# Altium PCB MCU065E1_LAUNCHCC3235MODA_PCB.PcbDoc (part 3 of 4)
Units mil, origin at the board's own origin, x right, y up, seen from the top; angles counter-clockwise.
Board outline 2300 x 4280 mil, 4 copper layers (TOP, GND, PWR, BOTTOM), stack 62 mil thick; 300 components, 199 nets, 970 pads, 475 vias.
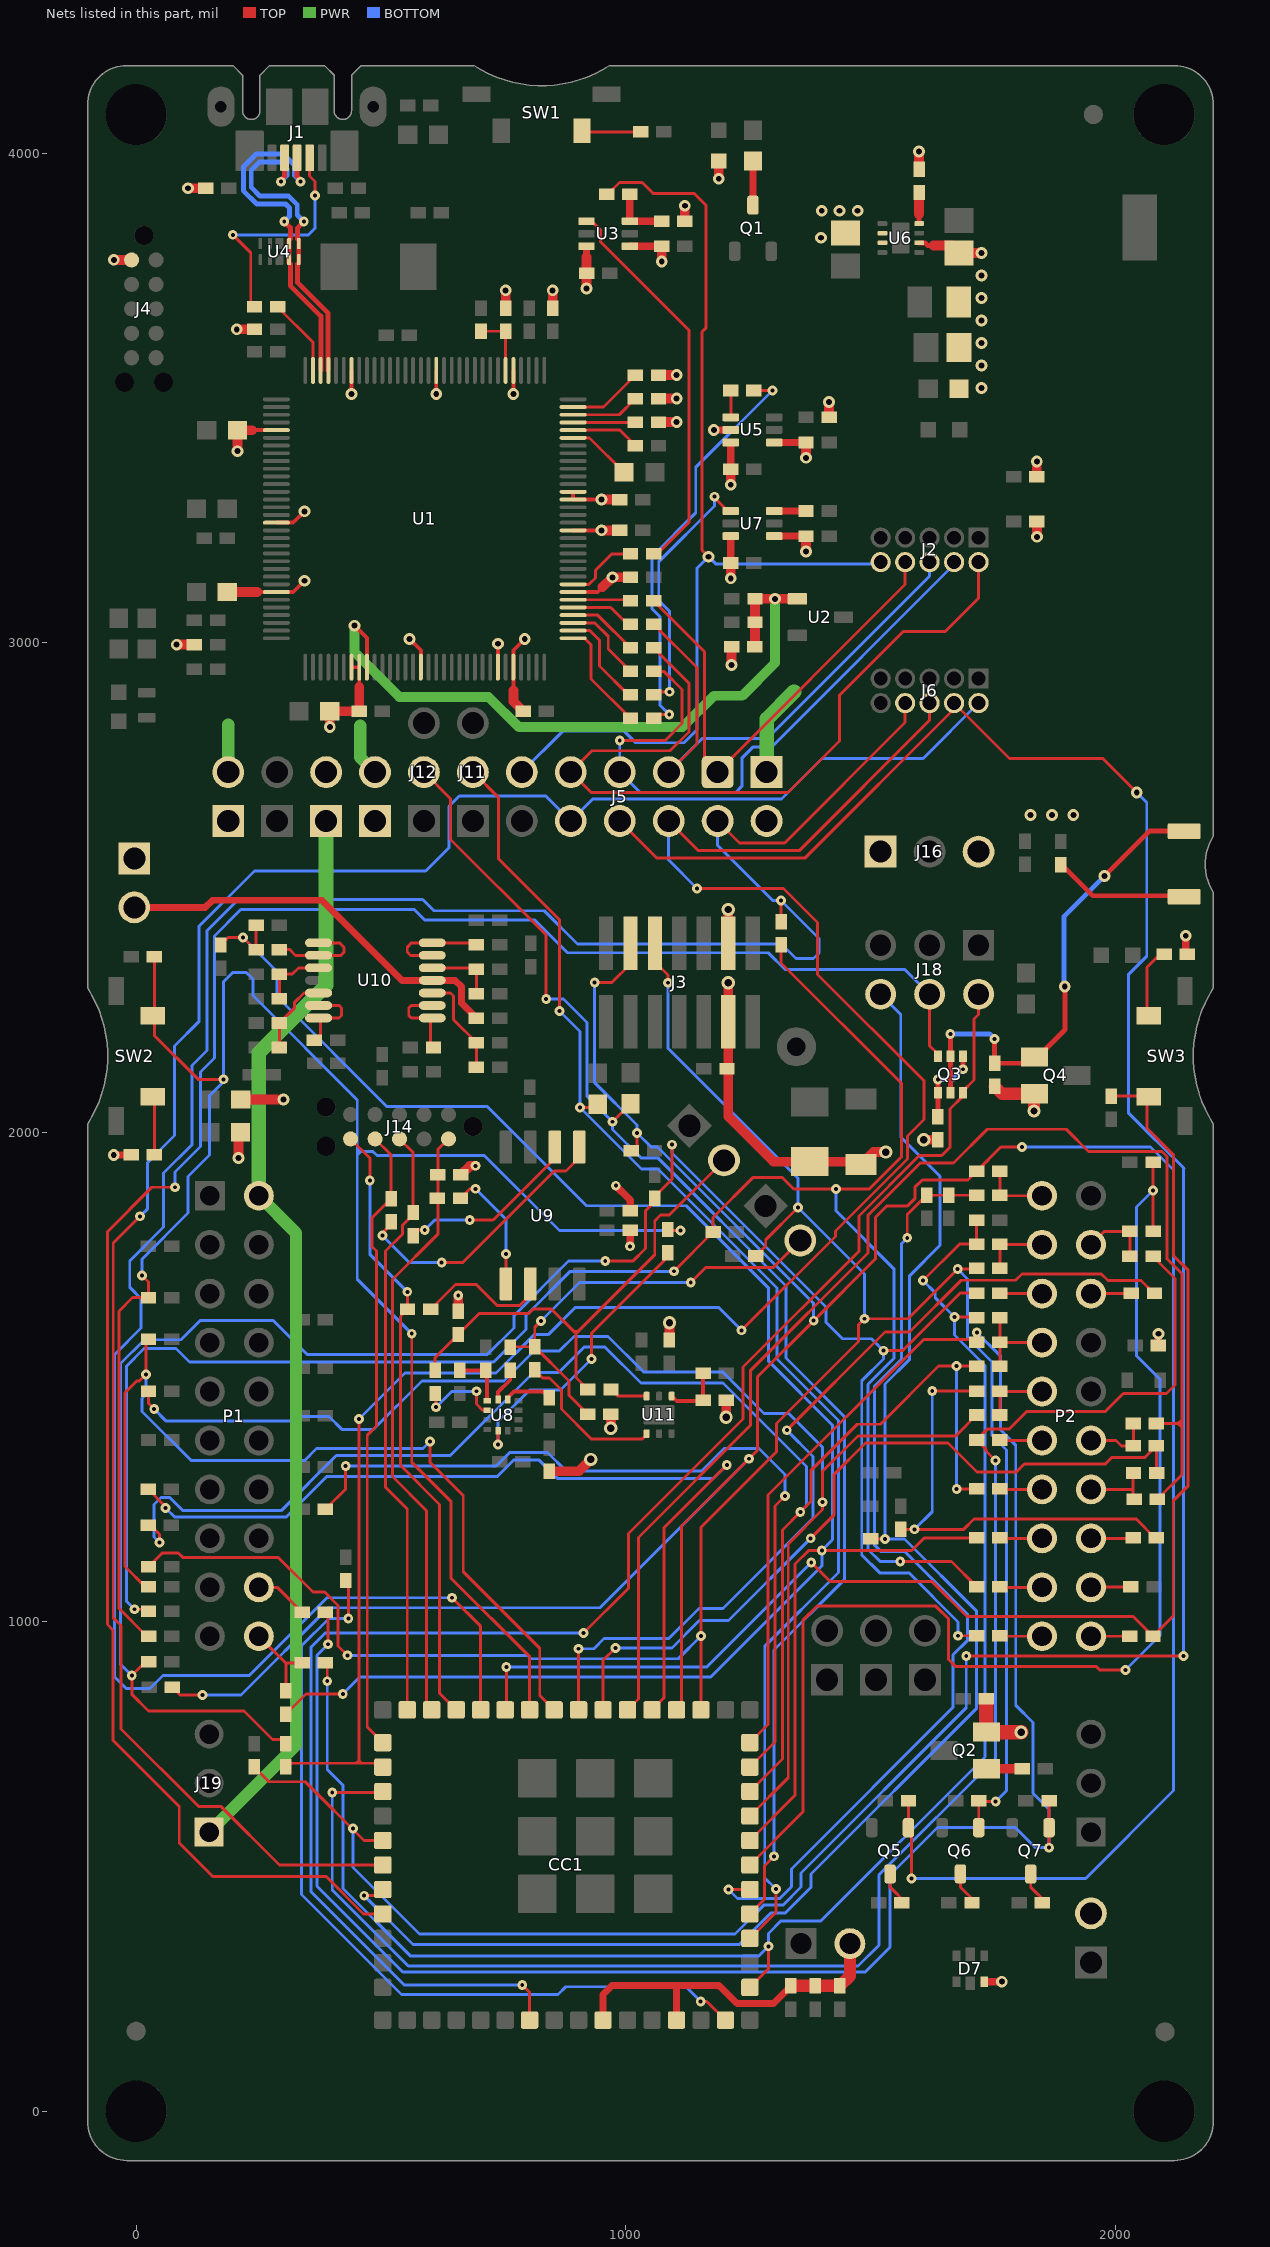
[diagram p5: the nets of this part, all layers, seen from the top]

## Via types
v1: diameter 20, hole 8, TOP to BOTTOM, tented both sides, 270 vias
v2: diameter 24, hole 12, TOP to BOTTOM, tented both sides, 142 vias
v3: diameter 19.68, hole 7.87, TOP to BOTTOM, 36 vias
v4: diameter 27, hole 15, TOP to BOTTOM, tented both sides, 23 vias
v5: diameter 19.68, hole 7.87, TOP to BOTTOM, tented bottom, 4 vias

## Nets (pads, with @x,y where several pads share a name; then routed paths per layer and width w, separated by ;. In a path a pad name is that pad's centre, name@x,y a point inside that pad or via, vN(x,y) a via of type N, cw(c..) or ccw(c..) an arc to the next point about the centre after c; other vN are vias at no path point) (continued)
NetP1_29: P1.29 R87.1 | length 109.9
  TOP w6: P1.29@250.7,1070.26 288.12,1070.26 R87.1@339.38,1019
NetP1_30: P1.30 R91.1 R94.1 | length 169
  TOP w6: P1.30@250.7,970.26 304.96,916 ; R94.1@306,858.62 306,914.96 304.96,916 ; R91.1@339.38,916 304.96,916
NetP2_11: P2.11 R93.1 | length 79.5
  TOP w6: P2.11@1950.7,970.26 R93.1@2030.16,970.26
NetP2_12: P2.12 R89.1 | length 81.9
  TOP w6: P2.12@1950.7,1070.26 1951.7,1071.27 R89.1@2032.16,1071.27
NetP2_13: P2.13 R85.1 | length 86.9
  TOP w6: P2.13@1950.7,1170.26 2036.16,1170.26 R85.1@2037.16,1171.27
NetP2_14: P2.14 R81.1 R99.1 | length 140.7
  TOP w6: P2.14@1950.7,1270.26 2036.16,1270.26 ; R99.1@2037.58,1303.88 2036.16,1302.46 2036.16,1270.26 ; R81.1@2039.18,1250.48 2036.16,1253.5 2036.16,1270.26
NetP2_15: P2.15 R77.1 R96.1 | length 137
  TOP w6: P2.15@1950.7,1370.26 2001.82,1370.26 2013,1359.09 R77.1@2037.16,1359.09 R96.1@2037.16,1404.97
NetP2_18: P2.18 R67.1 | length 83
  TOP w6: P2.18@1950.7,1670.26 2032.24,1670.26 R67.1@2033.24,1671.27
NetP2_19: P2.19 R59.1 R63.1 | length 142
  TOP w6: P2.19@1950.7,1770.26 1977.85,1797.42 R59.1@2030.31,1797.42 R63.1@2030.27,1746.34
NetP2_31: P2.31 R92.2 | length 86.7
  TOP w6: R92.2@1764.41,971.27 1765.41,970.26 P2.31@1850.7,970.26
NetP2_32: P2.32 R88.2 | length 86.7
  TOP w6: R88.2@1764.41,1071.27 1765.41,1070.26 P2.32@1850.7,1070.26
NetP2_33: P2.33 R84.2 | length 86.7
  TOP w6: R84.2@1764.41,1171.27 1765.41,1170.26 P2.33@1850.7,1170.26
NetP2_34: P2.34 R80.2 | length 86.7
  TOP w6: R80.2@1764.41,1271.27 1765.41,1270.26 P2.34@1850.7,1270.26
NetP2_35: P2.35 R76.2 | length 86.7
  TOP w6: R76.2@1764.41,1371.27 1765.41,1370.26 P2.35@1850.7,1370.26
NetP2_36: P2.36 R73.2 R101.2 | length 135.7
  TOP w6: R101.2@1764.41,1422.27 R73.2@1764.41,1471.27 1765.41,1470.26 P2.36@1850.7,1470.26
NetP2_37: P2.37 R70.2 R95.2 R98.2 | length 185.7
  TOP w6: R98.2@1764.41,1522.27 R70.2@1764.41,1571.27 ; R95.2@1764.41,1621.27 R70.2@1764.41,1571.27 ; P2.37@1850.7,1570.26 1765.41,1570.26 R70.2@1764.41,1571.27
NetP2_38: P2.38 R66.2 | length 86.7
  TOP w6: R66.2@1764.41,1671.27 1765.41,1670.26 P2.38@1850.7,1670.26
NetP2_39: P2.39 R54.2 R62.2 | length 135.7
  TOP w6: R62.2@1764.41,1722.27 R54.2@1764.41,1771.27 1765.41,1770.26 P2.39@1850.7,1770.26
NetP2_40: P2.40 R53.2 R60.2 | length 135.7
  TOP w6: R60.2@1764.41,1920.27 R53.2@1764.41,1871.27 1765.41,1870.26 P2.40@1850.7,1870.26
NetQ1_3: Q1.3 R30.1 | length 90
  TOP w15: Q1.3@1260.14,3894.26 R30.1@1260.14,3984.26
NetQ2_1: Q2.1 R105.1 | length 73.4
  TOP w20: Q2.1@1736.83,699.71 R105.1@1810.21,699.71
NetQ3_1: Q3.1 Q3.4 R143.1 | length 162.4
  TOP w10: R143.1@1637.78,2031.92 Q3.1@1637.78,2080.72 v1(1637.78,2107.53) ; v1(1688.97,2128.71) Q3.4@1688.97,2155.52
  BOTTOM w10: v1(1637.78,2107.53) 1667.78,2107.53 v1(1688.97,2128.71)
NetQ3_2: Q3.2 Q3.5 Q4.1 R144.1 SW4.2 | length 988.6
  TOP w10: Q3.2@1663.37,2080.72 Q3.5@1663.37,2155.52 v1(1663.37,2201) ; v1(1753.78,2190.74) R144.1@1753.78,2140.89 1822.69,2140.89 Q4.1@1835.31,2153.5 1841.5,2153.5 1897.58,2209.58 v2@1897.58,2297.5 ; v2(1978.23,2523.25) 2070.57,2615.59 SW4.2@2110.5,2615.59 ; SW4.2@2110.5,2615.61 2116.65,2621.76 SW4.2@2141,2621.76
  BOTTOM w10: v1(1663.37,2201) 1743.52,2201 v1(1753.78,2190.74) ; v2@1895.45,2297.5 1895.45,2440.47 v2(1978.23,2523.25)
  other v2: 1897.22,2297.5
NetQ5_3: Q5.3 R145.1 | length 71.6
  TOP w6: Q5.3@1540.43,484.73 1540.43,457.72 R145.1@1571.93,426.22
NetQ6_3: Q6.3 R146.1 | length 71.6
  TOP w6: Q6.3@1684.05,484.73 1684.05,457.72 R146.1@1715.55,426.22
NetQ7_3: Q7.3 R147.1 | length 71.6
  TOP w6: Q7.3@1827.68,484.73 1827.68,457.72 R147.1@1859.17,426.22
NetR2_2: R2.2 U1.33 | length 225.8
  TOP w6: U1.33@892.71,3009.15 916.17,3009.15 929.43,2995.89 929.43,2926.16 R2.2@1009.95,2845.64
NetR3_1: R3.1 U1.95 | length 159.7
  TOP w6: R3.1@289.02,3686.18 361.21,3613.99 U1.95@361.21,3556.4
NetR4_2: R4.2 U1.34 | length 197.8
  TOP w6: U1.34@892.71,3024.9 926.83,3024.9 946.38,3005.35 946.38,2952.44 R4.2@1005.18,2893.64
NetR6_2: R6.2 U1.35 | length 173.6
  TOP w6: U1.35@892.71,3040.65 937.12,3040.65 964.52,3013.25 964.52,2987.07 R6.2@1009.95,2941.64
NetR7_2: R7.2 U1.36 | length 144.9
  TOP w6: U1.36@892.71,3056.4 943.19,3056.4 R7.2@1009.95,2989.64
NetR8_2: R8.2 U1.37 | length 131.5
  TOP w6: U1.37@892.71,3072.15 969.51,3072.15 1004.01,3037.64 R8.2@1009.95,3037.64
NetR9_2: R9.2 U1.38 | length 118.2
  TOP w6: U1.38@892.71,3087.89 1007.7,3087.89 R9.2@1009.95,3085.64
NetR10_2: R10.2 U1.40 | length 152.1
  TOP w6: U1.40@892.71,3119.39 925.26,3119.39 938.31,3132.44 938.31,3147.98 971.97,3181.64 R10.2@1009.95,3181.64
NetR16_1: R16.1 U1.63 | length 154.3
  TOP w6: U1.63@892.71,3481.59 954.65,3481.59 R16.1@1019.95,3546.89
NetR17_1: R17.1 U1.62 | length 140.9
  TOP w6: U1.62@892.71,3465.85 986.9,3465.85 R17.1@1019.95,3498.89
NetR18_1: R18.1 U1.61 | length 127.6
  TOP w6: U1.61@892.71,3450.1 1019.16,3450.1 R18.1@1019.95,3450.89
NetR20_1: R20.1 U1.60 | length 140.3
  TOP w6: U1.60@892.71,3434.35 988.49,3434.35 R20.1@1019.95,3402.89
NetR24_1: R24.1 R25.2 U1.70 | length 130.4
  TOP w6: R25.2@704.56,3636.4 R24.1@754.91,3636.4 U1.70@754.91,3556.4
NetR27_2: R27.2 U1.59 | length 133.2
  TOP w6: U1.59@892.71,3418.6 926.46,3418.6 R27.2@996.81,3348.25
NetR28_1: R28.1 R29.2 U3.3 | length 120
  TOP w15: R29.2@1008.76,3916.37 U3.3@1008.76,3861.37 R28.1@1073.76,3861.37
NetR32_2: R32.2 SW1.1 | length 120
  TOP w6: SW1.1@910.98,4043.62 R32.2@1030.98,4043.62
NetR34_1: R34.1 U5.4 | length 55
  TOP w6: U5.4@1214.86,3460.37 R34.1@1214.86,3515.37
NetR36_1: R36.1 U6.8 | length 63.4
  TOP w10: U6.8@1599.51,3856.45 1599.51,3875.64
  TOP w20: 1599.51,3875.64 R36.1@1599.51,3919.88
NetR37_2: R37.2 U7.3 | length 65
  TOP w15: U7.3@1303.45,3269.19 R37.2@1368.45,3269.19
NetR40_2: R40.2 U9.1 | length 258.7
  TOP w6: R40.2@662.65,1865.18 681.85,1884.38 v1(693.3,1884.38) ; U9.1@755.4,1690.11 v1(755.6,1751.48)
  BOTTOM w6: v1(693.3,1884.38) 755.6,1822.08 v1(755.6,1751.48)
NetR41_2: R41.2 U9.6 | length 377.8
  TOP w6: R41.2@565.94,1788.8 577.3,1800.16 v1(589.59,1800.16) ; v1(681.5,1820.68) 729.45,1820.68 855.4,1946.62 U9.6@855.4,1969.64
  BOTTOM w6: v1(589.59,1800.16) 610.11,1820.68 v1(681.5,1820.68)
NetR42_2: R42.2 U9.5 | length 571.2
  TOP w6: v1(503,1788.78) 503,1793.48 521.02,1811.5 R42.2@521.02,1817.18 ; v1(624.2,1733.88) 667.41,1733.88 854.39,1920.86 878.04,1920.86 905.4,1948.23 U9.5@905.4,1969.64
  BOTTOM w6: v1(503,1788.78) 557.9,1733.88 v1(624.2,1733.88)
NetR43_2: R43.2 U9.2 | length 274
  TOP w6: R43.2@601.62,1638 652.38,1688.76 694.86,1688.76 737.98,1645.65 782.97,1645.65 805.4,1668.08 U9.2@805.4,1690.11
NetR108_2: R108.2 R112.2 U10.10 | length 135.5
  TOP w6: R112.2@292.48,2273.14 R108.2@292.48,2323.14 318.86,2323.14 331.45,2335.73 U10.10@372.72,2335.73
NetR109_1: R109.1 U10.8 U10.9 | length 201
  TOP w6: R109.1@292.48,2373.14 313.86,2373.14 325.68,2361.32 U10.9@372.72,2361.32 418.04,2361.32 424.37,2367.65 424.37,2377.75 415.21,2386.91 U10.8@376.65,2386.91
NetR110_2: R110.2 R113.2 U10.5 | length 141.3
  TOP w6: U10.5@605,2335.73 692.64,2335.73 R110.2@695.24,2333.14 R113.2@695.24,2283.14
NetR111_1: R111.1 U10.6 U10.7 | length 206.6
  TOP w6: U10.6@601.06,2361.32 560.68,2361.32 553.86,2368.14 553.86,2378.14 562.63,2386.91 U10.7@605,2386.91 691.46,2386.91 R111.1@695.24,2383.14
NetR116_2: R116.2 R122.2 U10.12 | length 162.2
  TOP w6: R122.2@292.48,2173.14 R116.2@292.48,2223.14 323.86,2254.52 323.86,2265.61 342.79,2284.55 U10.12@372.72,2284.55
NetR117_1: R117.1 U10.13 U10.14 | length 156.6
  TOP w6: R117.1@364.24,2187.84 376.65,2200.26 376.65,2233.37 414.59,2233.37 419.77,2238.55 419.77,2254.05 414.86,2258.96 U10.13@376.65,2258.96
NetR119_2: R119.2 R123.2 U10.3 | length 210.5
  TOP w6: U10.3@605,2284.55 642.08,2284.55 648.49,2278.14 648.49,2229.89 R119.2@695.24,2183.14 R123.2@695.24,2133.14
NetR120_1: R120.1 U10.1 U10.2 | length 170.7
  TOP w6: U10.2@601.06,2258.96 561.88,2258.96 556.97,2254.05 556.97,2238.65 562.25,2233.37 601.06,2233.37 601.06,2179.56 R120.1@607.48,2173.14
NetR128_1: R128.1 R132.2 U11.4 | length 124.7
  TOP w8: U11.4@1093.98,1460.99 1104.39,1450.58 1156.33,1450.58 R128.1@1158.39,1452.64 R132.2@1158.39,1507.79
NetR129_1: R129.1 R131.1 U8.1 | length 112.3
  TOP w8: R129.1@665.04,1513.56 R131.1@714.29,1513.56 714.29,1508.29 717.2,1505.37 U8.1@717.2,1451.71
NetR133_2: R133.2 U8.5 | length 599.8
  TOP w6: v1(739.44,1362.34) U8.5@739.44,1390.1 ; v1(930.3,1536.98) 930.3,1589.48 1085.9,1745.08 R133.2@1085.9,1754.05
  BOTTOM w6: v1(739.44,1362.34) 739.44,1408.92 804.1,1473.58 866.9,1473.58 v1(930.3,1536.98)
NetR135_1: R135.1 U11.6 | length 78.2
  TOP w6: R135.1@970.17,1474.4 983.58,1460.99 U11.6@1042.8,1460.99
NetR136_1: R136.1 U11.1 | length 315.7
  TOP w6: R136.1@814.29,1514.56 830.79,1498.06 844.32,1498.06 868.77,1473.61 868.77,1434.69 930.52,1372.94 1033.39,1372.94 1042.8,1382.35 U11.1@1042.8,1384.22
NetR138_1: R138.1 U8.2 | length 178.2
  TOP w6: R138.1@610.62,1466.32 612.72,1464.21 v1(612.72,1438.33) ; v1(695.2,1470.78) 695.2,1444.57 707.75,1432.03 U8.2@717.2,1432.03
  BOTTOM w6: v1(612.72,1438.33) 645.17,1470.78 v1(695.2,1470.78)
NetR140_1: R140.1 U8.11 | length 99.5
  TOP w8: U8.11@759.13,1454.27 759.13,1458.15 771.56,1470.58 831.52,1470.58 R140.1@844.29,1457.81
NetR141_1: R141.1 U8.12 | length 69.6
  TOP w8: U8.12@739.44,1454.27 739.44,1469.34 764.29,1494.19 R141.1@764.29,1513.56
NetR148_1: R148.1 SW2.2 | length 120
  TOP w6: R148.1@37.16,1953.6 SW2.2@37.16,2073.6
NetR149_1: R149.1 SW3.2 | length 144.1
  TOP w6: SW3.2@2065.14,2238.95 2065.14,2336.98 2092.19,2364.02 R149.1@2100.04,2364.02
NetR154_2: R154.2 SW4.1 | length 248.9
  TOP w10: R154.2@1888.8,2548.72 1954.46,2483.06 SW4.1@2110.5,2483.06
P01_GPIO_10: CC1.3 J3.9 Q6.1 R62.1 R86.1 R130.1 R151.2 | length 4809.4
  TOP w6: R86.1@25.16,1112.26 52.9,1140 86.79,1140 96.04,1130.75 291.1,1130.75 361.04,1060.81 385.1,1060.81 412.57,1033.34 412.57,950.38 v1(431.67,931.28) ; J3.9@1059.79,2380.75 1059.79,2348.15 1086.6,2321.34 v1(1086.6,2305.36) ; CC1.3@1153.9,819.92 v1(1153.9,970.88) 1153.9,1192.88 1308.3,1347.27 1308.3,1405.21 1475.51,1572.42 1475.51,1606.65 v1(1487.78,1618.92) 1576.81,1618.92 v1(1678.36,1720.47) 1715.37,1720.47 R62.1@1717.16,1722.27 ; R130.1@1265.72,1747.18 1286.26,1767.71 1286.26,1780.26 v1(1351.98,1845.98) ; Q6.1@1721.45,579.22 R151.2@1721.45,634.22 1723.22,632.45 v1(1755.95,632.45)
  BOTTOM w6: v1(431.67,931.28) 799.52,931.28 806.47,924.33 1107.36,924.33 v1(1153.9,970.88) ; v1(1086.6,2305.36) 1086.6,2171.48 1351.98,1906.1 v1(1351.98,1845.98) 1487.78,1710.18 v1(1487.78,1618.92) ; v1(1678.36,1720.47) 1698.45,1700.39 1698.45,1580.94 1748.59,1530.8 1748.59,1380.66 1778.25,1351 1778.25,654.75 v1(1755.95,632.45)
P02_GPIO_11: CC1.4 J3.11 Q5.1 R60.1 R90.1 R137.1 R150.2 | length 6349.6
  TOP w6: R90.1@73.62,866 89.62,850 v1(135.52,850) ; v1(936.8,2305.96) 971.78,2305.96 1009.79,2343.97 J3.11@1009.79,2380.75 ; R137.1@1011.68,1962.08 1023.43,1973.83 v1(1023.43,1998.46) ; CC1.4@1103.9,819.92 1114.36,830.38 1114.36,1195.41 v1(1251.82,1332.87) 1269.33,1350.38 1269.5,1350.38 1269.5,1500.38 v1(1384.2,1615.08) 1510.51,1741.39 1510.51,1826.24 1533.87,1849.6 1576.21,1849.6 1590.88,1864.27 1590.88,1887.43 1606.14,1902.7 1699.59,1902.7 R60.1@1717.16,1920.27 1766.51,1969.62 v1(1809.5,1969.62) ; R150.2@1577.83,634.22 Q5.1@1577.83,579.22 1584.04,573.01 v1(1584.04,475.59)
  BOTTOM w6: v1(135.52,850) 213.98,850 392.52,1028.54 947.49,1028.54 v1(1251.82,1332.87) ; v1(936.8,2305.96) 936.8,2101.28 1023.43,2014.65 v1(1023.43,1998.46) 1052.21,1969.68 1064.84,1969.68 1384.2,1650.31 v1(1384.2,1615.08) ; v1(1584.04,475.59) 1939.82,475.59 2119.17,654.94 2119.17,1922.83 2072.38,1969.62 v1(1809.5,1969.62)
P03_GPIO_12: CC1.9 R68.1 R102.1 | length 1929.6
  TOP w6: R102.1@25.16,1071.26 18.74,1071.26 -22.73,1112.73 -22.73,1467.58 1.76,1492.07 6.8,1492.07 v1(19.9,1505.18) 19.9,1572 R68.1@25.16,1577.26 ; v1(600.39,1367.93) 600.39,1325.81 668.22,1257.98 668.22,1102.05 824.57,945.7 824.57,849.25 CC1.9@853.9,819.92
  BOTTOM w6: v1(19.9,1505.18) 19.9,1463.68 12.1,1455.88 12.1,1429.68 111.98,1329.8 344.74,1329.8 368.71,1353.77 586.24,1353.77 v1(600.39,1367.93)
P04_GPIO_13: CC1.10 R64.1 R103.1 R133.1 R155.2 SW2.1 | length 4397.7
  TOP w6: v1(11.9,1707.17) 25.17,1693.91 R64.1@25.17,1662.26 -7.36,1662.26 -34.73,1634.89 -34.73,1026.98 22.21,970.04 R103.1@23.95,970.04 ; R155.2@37.16,2358.95 37.16,2238.95 37.16,2197.84 126.9,2108.09 v1(178.3,2108.09) ; v1(563.06,1588.41) 563.06,1325.77 643.66,1245.18 643.66,1088.55 803.9,928.31 CC1.10@803.9,819.92 ; R133.1@1085.9,1801.3 1089.02,1798.18 1089.89,1799.04 v1(1111.92,1799.04)
  BOTTOM w6: v1(11.9,1707.17) 11.9,1740.68 106,1834.77 106,1909.63 149.97,1953.6 149.97,2074.65 178.3,2102.98 v1(178.3,2108.09) 178.3,2307.51 197.59,2326.79 224.49,2326.79 238.47,2312.82 238.47,2279.21 451.76,2065.92 451.76,1968.28 ; v1(563.06,1588.41) 451.76,1699.72 451.76,1953.23 ; v1(1111.92,1799.04) 864.7,1799.04 711.36,1952.38 491.84,1952.38 483.46,1960.75 459.28,1960.75 ; 451.76,1953.23 459.28,1960.75 ; 451.76,1953.23 451.76,1960.75 ; 451.76,1960.75 451.76,1968.28 ; 451.76,1960.75 459.28,1960.75 ; 451.76,1968.28 459.28,1960.75
P05_GPIO_14: CC1.5 R78.1 | length 1846.4
  TOP w6: R78.1@25.16,1271.26 25.16,1269.98 60.2,1234.95 v1(60.2,1232.38) ; CC1.5@1053.9,819.92 1078.58,844.6 1078.58,1192.16 v1(1206.8,1320.38)
  BOTTOM w6: v1(60.2,1232.38) 78.78,1213.79 306.75,1213.79 389.96,1297 738.15,1297 771.19,1330.04 823.31,1330.04 860.43,1292.93 1179.35,1292.93 v1(1206.8,1320.38)
P06_GPIO_15: CC1.6 R81.2 R96.2 | length 2729.4
  TOP w6: CC1.6@1003.9,819.92 1026.1,842.12 1026.1,1172.03 1254.68,1400.61 1254.68,1512.88 1494.91,1753.11 1494.91,1830.36 1601.9,1937.35 1669.97,1937.35 1738.74,2006.12 1899.99,2006.12 1945.55,1960.56 2095.59,1960.56 2105.91,1950.23 2105.91,1741.38 2136.4,1710.89 2136.4,1413.3 ; R96.2@2084.41,1404.97 2128.07,1404.97 ; R81.2@2086.42,1250.48 2136.4,1300.45 2136.4,1396.64 ; 2128.07,1404.97 2136.4,1413.3 ; 2128.07,1404.97 2136.4,1404.97 ; 2128.07,1404.97 2136.4,1396.64 ; 2136.4,1396.64 2136.4,1404.97 ; 2136.4,1404.97 2136.4,1413.3
P07_GPIO_16: CC1.7 R77.2 R99.2 | length 1565
  TOP w6: CC1.7@953.9,820.94 953.9,921.21 v1(979.2,946.51) ; v1(1378,1170.38) 1425.32,1217.69 1425.32,1300.47 1489.85,1365 1658.88,1365 1717.98,1305.9 1798.11,1305.9 1814.5,1322.28 1979.98,1322.28 1993.48,1335.78 2061.1,1335.78 R77.2@2084.41,1359.09 2084.41,1304.29 R99.2@2084.82,1303.88
  BOTTOM w6: v1(979.2,946.51) 1094.59,946.51 1150.61,1002.53 1210.15,1002.53 v1(1378,1170.38)
P08_GPIO_17: CC1.8 R67.2 | length 1815
  TOP w6: CC1.8@903.9,820.94 v1(903.9,944.78) ; v1(1329.3,1391.28) 1529.86,1591.84 1580.06,1591.84 1685.87,1697.65 1796.64,1697.65 1809.53,1710.54 1971.91,1710.54 1985.37,1697.08 2052.86,1697.08 2076.99,1672.96 2078.8,1672.96 R67.2@2080.49,1671.27
  BOTTOM w6: v1(903.9,944.78) 935.19,944.78 955.92,965.51 1088.13,965.51 1149.86,1027.23 1198.66,1027.23 1382.93,1211.51 1382.93,1337.65 v1(1329.3,1391.28)
P15_GPIO_22: CC1.11 R93.2 R156.2 SW3.1 | length 2800.4
  TOP w6: CC1.11@753.9,820.94 756.25,823.29 v1(756.25,907.72) ; v1(1379.2,1121.08) 1417.75,1082.53 1625.51,1082.53 1697.28,1010.76 2036.91,1010.76 R93.2@2077.41,970.26 2118.8,1011.65 2118.8,1247.28 2149.31,1277.8 2149.31,1718.02 2118.91,1748.42 2118.91,1954.2 2065.14,2007.97 2065.14,2073.6 R156.2@1992.54,2073.6
  BOTTOM w6: v1(756.25,907.72) 1165.84,907.72 v1(1379.2,1121.08)
P16_GPIO_23: R46.1 R88.1 R97.1 R134.1 | length 3967.5
  TOP w6: v1(-3.51,1025.46) 20.96,1025.46 R97.1@25.16,1021.26 ; v1(1098.55,1716.04) 1178.78,1796.27 1178.78,1825.75 1260.95,1907.92 1319.73,1907.92 1343.59,1884.06 v1(1429.55,1884.06) 1497.7,1884.06 1563.91,1950.27 1563.91,2099.46 1317.6,2345.78 R46.1@1317.6,2382.85 ; v1(1561.03,1122.83) 1665.61,1122.83 R88.1@1717.16,1071.27
  BOTTOM w6: v1(-3.51,1025.46) -19.84,1041.79 -19.84,1522.09 16.3,1558.23 81.47,1558.23 109.26,1530.44 730.37,1530.44 796.66,1596.73 796.66,1625.87 886.67,1715.88 1098.38,1715.88 v1(1098.55,1716.04) ; v1(1429.55,1884.06) 1429.55,1839.6 1547.99,1721.16 1547.99,1537.68 1495.35,1485.04 1495.35,1147.5 1520.03,1122.83 v1(1561.03,1122.83)
P16_JTAG_TDI: CC1.12 J5.2 J6.8 R46.2 | length 4934.7
  TOP w6: v1(645.5,1048.98) 703.9,990.58 CC1.12@703.9,819.92 ; J5.2@1188,2635.86 1232.86,2591 1325,2591 1571,2837 J6.8@1571,2876.86 ; R46.2@1317.6,2430.1 v1(1317.6,2473.38)
  BOTTOM w6: v1(645.5,1048.98) 389.98,1048.98 231.25,890.24 54.75,890.24 28.05,863.54 -20.27,863.54 -43.84,887.1 -43.84,1546.16 10,1600 10,1660 -13.1,1683.1 -13.1,1737.08 56.11,1806.29 56.11,1916.49 114.13,1974.5 114.13,2136.13 144.97,2166.97 144.97,2411.63 208.73,2475.4 585.35,2475.4 608.23,2452.51 833.64,2452.51 901.58,2384.58 1318.33,2384.58 1348.23,2354.68 1383.94,2354.68 1395.1,2365.84 1395.1,2395.88 v1(1317.6,2473.38) 1300.45,2473.38 1188,2585.82 J5.2@1188,2635.86
P17_GPIO_24: R45.1 R66.1 R92.1 R100.1 R139.1 | length 4192.7
  TOP w6: R100.1@25.38,918 19.19,918 v1(-8.81,890) -8.81,851.81 25.19,817.81 220.55,817.81 278.74,759.61 297.01,759.61 R45.1@306,750.62 ; v1(958.3,1736.88) 1014.47,1736.64 1040.5,1762.68 1040.5,1839.41 1059.3,1858.21 R139.1@1059.3,1864.75 1059.3,1868.45 1094.67,1903.82 v1(1094.67,1974.59) ; v1(1526.99,1553.68) 1565.51,1553.68 1683.1,1671.27 R66.1@1717.16,1671.27 ; v1(1679.17,971.27) R92.1@1717.16,971.27
  BOTTOM w6: v1(-8.81,890) -31.84,913.03 -31.84,1527.44 16.81,1576.09 91.41,1576.09 130.33,1615 280.49,1615 349.18,1546.31 717.89,1546.31 771.69,1600.12 771.69,1625.24 883.33,1736.88 v1(958.3,1736.88) ; v1(1094.67,1974.59) 1094.67,1957.49 1409.38,1642.78 1409.38,1611.69 1442.96,1578.11 1502.56,1578.11 v1(1526.99,1553.68) 1526.99,1536.82 1482.46,1492.29 1482.46,1136.42 1519.03,1099.85 1578.83,1099.85 1679.17,999.51 v1(1679.17,971.27)
P17_JTAG_TDO: CC1.18 J5.4 J6.6 R45.2 | length 4030.9
  TOP w6: R45.2@306,703.38 313.51,710.89 449.66,710.89 ; v1(455.09,1414) 455.09,716.33 ; CC1.18@503.94,702.99 496.04,710.89 460.53,710.89 ; J5.4@1088,2635.86 1148.68,2575.18 1354.7,2575.18 1621,2841.48 J6.6@1621,2876.86 ; v1(1146.07,2498.12) 1322.55,2498.12 1392.23,2428.44 1392.23,2322.5 1609.41,2105.32 1609.41,2025.81 1576.12,1992.52 1576.12,1945.51 1428.65,1798.03 1428.65,1787.02 v1(1236.9,1595.28) ; 449.66,710.89 460.53,710.89 ; 449.66,710.89 455.09,716.33 ; 455.09,716.33 460.53,710.89
  BOTTOM w6: v1(455.09,1414) 549.26,1508.17 734.99,1508.17 813.3,1586.48 841.7,1586.48 897.08,1641.86 1190.32,1641.86 v1(1236.9,1595.28) ; J5.4@1088,2635.86 1088,2556.19 v1(1146.07,2498.12)
P18_GPIO_28: CC1.19 R63.2 R76.1 | length 3382.2
  TOP w6: v1(400.69,651.3) 502.25,651.3 CC1.19@503.94,652.99 ; v1(1755.4,1329.48) 1736.22,1348.66 1736.22,1352.21 R76.1@1717.16,1371.27 1739.98,1394.08 1784.3,1394.08 1820.04,1429.82 1980.54,1429.82 2016.76,1466.05 2105.08,1466.05 2122.54,1483.5 2122.54,1701.32 R63.2@2077.52,1746.34
  BOTTOM w6: v1(400.69,651.3) 400.69,451.71 555.97,296.43 1474.75,296.43 1517.5,339.19 1517.5,482.86 1755.4,720.76 v1(1755.4,1329.48)
P19_JTAG_TCK: CC1.21 J5.6 J6.4 R47.2 | length 5596.6
  TOP w6: R47.2@241,703.38 271.29,673.09 345.6,673.09 465.71,552.99 CC1.21@503.94,552.99 ; J5.6@988,2635.86 1063.22,2560.64 1367.05,2560.64 J6.4@1671,2864.59 ; J6.4@1671,2876.86 1784.42,2763.44 1974.76,2763.44 v2(2044.2,2694) ; v1(1695.9,930.06) v1(2139.85,930.06)
  BOTTOM w6: v1(443.08,577.64) 443.08,497.96 579.06,361.98 1223.19,361.98 1282.16,420.94 1321.43,420.94 1358.47,457.98 1358.47,486.59 1695.9,824.01 v1(1695.9,930.06) ; v2(2044.2,2694) 2064.7,2673.5 2064.7,2359.5 2027,2321.8 2027,2039.81 2140.59,1926.23 2139.85,1925.49 v1(2139.85,930.06)
P20_JTAG_TMS: CC1.22 J5.8 J6.2 | length 4242.2
  TOP w6: v1(7.83,1828.16) -46.73,1773.6 -46.73,1007.98 -31.01,992.26 -31.01,781.06 127.2,622.85 172.83,622.85 292.69,502.99 CC1.22@503.94,502.99
  BOTTOM w6: v1(7.83,1828.16) 23.56,1843.9 23.56,1938.34 78.54,1993.31 78.54,2175.97 128.12,2225.55 128.12,2420.1 241.71,2533.69 591.51,2533.69 639.06,2581.24 639.06,2665.92 660.22,2687.08 836.79,2687.08 J5.8@888,2635.86 932.76,2680.62 1318.21,2680.62 1401.36,2763.76 1607.9,2763.76 J6.2@1721,2876.86
P21_GPIO_25: R51.2 R73.1 R85.2 | length 935.5
  TOP w6: R51.2@1561.65,1188.79 v1(1590.45,1188.79) 1690.63,1188.79 1711.61,1209.77 2043.23,1209.77 2081.73,1171.27 R85.2@2084.41,1171.27 ; v1(1626.4,1471.27) R73.1@1717.16,1471.27
  BOTTOM w6: v1(1590.45,1188.79) 1626.4,1224.75 v1(1626.4,1471.27)
P50_GPIO_00: CC1.44 R54.1 R55.1 R91.2 R95.1 | length 3388.2
  TOP w6: R91.2@386.62,916 390.42,912.2 v1(390.42,878.54) ; CC1.44@1253.86,252.99 1291.7,290.83 v1(1291.7,336.88) ; v1(1607.77,1696.93) 1682.11,1771.27 R54.1@1717.16,1771.27 R55.1@1717.16,1820.27 ; v1(1671.7,1622.78) 1715.65,1622.78 R95.1@1717.16,1621.27
  BOTTOM w6: v1(390.42,878.54) 390.42,698.14 422.5,666.06 422.5,454.96 560.03,317.43 1272.26,317.43 v1(1291.7,336.88) 1291.7,363.11 1317.54,388.95 1399,388.95 1733.93,723.88 1733.93,1523.3 1671.7,1585.53 v1(1671.7,1622.78) 1632.52,1661.96 1632.52,1672.17 v1(1607.77,1696.93)
P53_GPIO_30: CC1.42 R83.2 | length 1692
  TOP w6: R83.2@428,1084.13 433.51,1078.62 v1(433.51,1006.81) ; v1(1153.3,224.08) 1165.88,224.08 CC1.42@1203.9,186.06
  BOTTOM w6: v1(433.51,1006.81) 393.73,1006.81 337.83,950.91 337.83,442.78 542.15,238.46 861.84,238.46 877.57,254.19 1123.19,254.19 v1(1153.3,224.08)
P55_GPIO_01: CC1.46 J11.2 R22.1 | length 2843
  TOP w6: J11.2@688,2735.86 740.59,2683.27 740.59,2558.48 864.91,2434.15 v1(864.91,2247.93) ; v1(906.9,2050.76) 936.1,2050.76 R22.1@942.79,2057.45 ; CC1.46@1254.88,354.01 1307.19,406.32 v1(1307.19,453.68)
  BOTTOM w6: v1(864.91,2247.93) 906.9,2205.95 v1(906.9,2050.76) 1032.61,1925.05 1066.05,1925.05 1309.4,1681.7 1309.4,1536.53 1434.75,1411.17 1434.75,1100.4 1284.18,949.82 1284.18,476.69 v1(1307.19,453.68)
P57_GPIO_02: CC1.47 J12.2 R21.1 | length 2861.4
  TOP w6: J12.2@588,2735.86 642.35,2681.51 642.35,2598.04 837.65,2402.73 v1(837.65,2272.37) ; v1(973.4,2021.36) 1009.79,2057.75 R21.1@1009.79,2058.45 ; CC1.47@1253.86,402.99 1283.68,432.81 1283.68,501.15 v1(1303.18,520.65)
  BOTTOM w6: v1(837.65,2272.37) 872.92,2272.37 921.3,2224 921.3,2073.47 v1(973.4,2021.36) 973.4,2005.78 1031.42,1947.76 1065.7,1947.76 1327.37,1686.09 1327.37,1538.7 1446.75,1419.31 1446.75,1085.56 1303.18,941.98 v1(1303.18,520.65)
P58_GPIO_03: CC1.48 R53.1 R56.1 R121.2 | length 2004.5
  TOP w6: v1(1210.41,452.99) CC1.48@1253.86,452.99 ; v1(1575.3,1784.28) 1575.3,1831.72 1614.85,1871.27 R56.1@1615,1871.27 R121.2@1660,1871.27 R53.1@1717.16,1871.27
  BOTTOM w6: v1(1210.41,452.99) 1228.73,434.68 1315.06,434.68 1339,458.62 1339,494.98 1669.05,825.03 1669.05,932.35 1698.75,962.04 1698.75,1014.81 1569.73,1143.83 1521.2,1143.83 1508.84,1156.19 1508.84,1481.55 1564,1536.72 1564,1772.98 v1(1575.3,1784.28)
P59_GPIO_04: CC1.49 R59.2 R118.2 | length 2501.5
  TOP w6: CC1.49@1253.86,502.99 1362.08,611.21 1362.08,1002.85 1390.96,1031.73 1633.66,1031.73 1659.51,1005.89 1659.51,923.11 1674.44,908.17 1961.87,908.17 1968.45,901.6 v1(2021.17,901.6) ; R59.2@2077.55,1797.42 v1(2077.55,1881.19) ; v1(2077.55,1881.19) R118.2@2077.59,1938.27
  BOTTOM w6: v1(2021.17,901.6) 2091.66,972.09 2091.66,1495.47 2043.87,1543.25 2043.87,1847.47 v1(2077.55,1881.19)
P60_GPIO_05: C36.1 CC1.50 R84.1 R94.2 R107.2 R109.2 | length 4389.2
  TOP w6: R107.2@173.06,2382.61 188.11,2397.65 v1(218.47,2397.65) 245.24,2370.89 R109.2@245.24,2373.14 C36.1@245.24,2423.14 ; R94.2@306,811.38 347.09,852.46 v1(422.28,852.46) ; CC1.50@1253.86,552.99 1346.23,645.36 1346.23,1117.81 1374.04,1145.62 v1(1400.84,1145.62) 1584.44,1145.62 1610.09,1171.27 R84.1@1717.16,1171.27
  BOTTOM w6: v1(218.47,2397.65) 287.59,2328.53 287.59,2277.18 511.96,2052.81 717.24,2052.81 920.29,1849.76 1123.95,1849.76 1292.25,1681.46 1292.25,1531.96 1422.75,1401.46 1422.75,1167.53 v1(1400.84,1145.62) 1400.84,1113.99 1173.58,886.73 456.55,886.73 v1(422.28,852.46)
P61_GPIO_06: CC1.51 R71.1 R101.1 | length 2846.1
  TOP w6: R71.1@25.16,1471.26 25.16,1446.31 v1(36.8,1434.68) ; CC1.51@1253.86,602.99 1332.25,681.38 1332.25,1158.99 1402.3,1229.04 v1(1402.3,1244.28) 1402.3,1307.2 1474.76,1379.66 1674.57,1379.66 R101.1@1717.97,1423.06
  BOTTOM w6: v1(36.8,1434.68) 61.7,1409.77 321.72,1409.77 331.19,1419.24 394,1419.24 420.24,1393 485,1393 583.78,1491.78 751.57,1491.78 812.87,1553.08 864.6,1553.08 894.47,1582.95 964.02,1582.95 1036.46,1510.51 1197.9,1510.51 1282.78,1425.62 1333.16,1425.62 1402.3,1356.49 v1(1402.3,1244.28)
P62_GPIO_07: CC1.52 R80.1 R82.1 R98.1 | length 3244.7
  TOP w6: R82.1@24.38,1197 29,1197 47.5,1178.5 v1(47.5,1161.58) ; CC1.52@1253.86,652.99 1320.25,719.38 1320.25,1187.53 v1(1356.9,1224.18) 1379.07,1246.34 1379.07,1309.44 1473.05,1403.42 1520.63,1403.42 1639.47,1522.26 v1(1675.8,1522.26) R98.1@1717.16,1522.27 ; v1(1676.39,1271.27) R80.1@1717.16,1271.27
  BOTTOM w6: v1(47.5,1161.58) 36.19,1172.88 36.19,1239.36 50.66,1253.82 68.83,1253.82 95.87,1226.78 296.27,1226.78 408.88,1339.39 641.72,1339.39 811.64,1509.31 863.27,1509.31 914.8,1560.85 958,1560.85 1031.19,1487.65 1198.94,1487.65 1369.49,1317.1 1369.49,1236.77 v1(1356.9,1224.18) ; v1(1675.8,1522.26) 1676.39,1521.67 v1(1676.39,1271.27)
P63_GPIO_08: CC1.53 R79.2 | length 1698.9
  TOP w6: R79.2@386.62,1230 428,1271.38 v1(428,1318) ; CC1.53@1253.86,702.99 1305.14,754.27 1305.14,1236.47 v1(1325.76,1257.09)
  BOTTOM w6: v1(428,1318) 735.48,1318 763.31,1345.83 840.56,1345.83 878.76,1307.62 1154.92,1307.62 1201.17,1353.87 1272.56,1353.87 1325.76,1300.67 v1(1325.76,1257.09)
P64_GPIO_09: CC1.54 Q7.1 R70.1 R87.2 R152.2 | length 4679.5
  TOP w6: R87.2@386.62,1019 393.57,1012.05 392.07,1010.55 v1(392.07,953.98) ; CC1.54@1253.86,752.99 1291.1,790.23 1291.1,1259.05 1608.33,1576.28 R70.1@1717.16,1576.28 ; R70.1@1717.16,1571.27 R70.1@1717.16,1576.28 ; v1(1717.45,1591.1) 1717.16,1590.82 R70.1@1717.16,1576.28 ; R70.1@1722.18,1576.28 R70.1@1717.16,1576.28 ; v1(1865.08,538.38) Q7.1@1865.08,579.22 R152.2@1865.08,634.22
  BOTTOM w6: v1(392.07,953.98) 369.46,931.37 369.46,459.73 544.76,284.43 1489.52,284.43 1540.15,335.06 1540.15,482.44 1637.11,579.4 1796.11,579.4 1837.14,538.38 v1(1865.08,538.38) 1865.08,616.63 1832.35,649.35 1832.35,793.88 1797,829.23 1797,1360.72 1766.23,1391.49 1766.23,1542.32 v1(1717.45,1591.1)
SENS_I2C_SCL: J23.2 R126.1 R136.2 R141.2 | length 888.7
  TOP w6: R141.2@764.29,1560.81 765.29,1561.81 R136.2@814.29,1561.81 ; v1(827,1614.48) 814.29,1601.76 R136.2@814.29,1561.81 ; R126.1@922.67,1424.19 884.3,1462.55 884.3,1491.8 R136.2@814.29,1561.81 ; v1(1133,1693.28) 1162.95,1723.23 1301.16,1723.23 J23.2@1356.76,1778.82
  BOTTOM w6: v1(827,1614.48) 905.8,1693.28 v1(1133,1693.28)
SENS_I2C_SDA: J24.2 R127.1 R135.2 R138.2 | length 996.6
  TOP w6: R138.2@610.62,1513.56 610.62,1539.41 R127.1@658.02,1586.81 700.98,1629.78 802.07,1629.78 810.87,1638.58 848.8,1638.58 894.85,1592.52 ; R135.2@922.92,1474.4 898.5,1498.82 898.5,1588.88 ; J24.2@1200.96,1942.52 1089.31,1830.88 1071.5,1830.88 1059.5,1818.88 1059.5,1749.88 902.15,1592.52 ; 894.85,1592.52 898.5,1588.88 ; 894.85,1592.52 902.15,1592.52 ; 898.5,1588.88 902.15,1592.52
SOP0: CC1.34 J18.2 Q3.3 | length 3323.7
  TOP w6: v1(788.75,257.91) 803.9,242.76 CC1.34@803.9,186.06 ; v1(913.99,976.72) 1005.66,1068.39 1005.66,1180.1 1239.88,1414.33 1239.88,1520.18 1476.52,1756.81 1476.52,1828.94 1599.8,1952.22 1645.62,1952.22 1662.7,1969.3 1662.7,2047.24 1688.97,2073.5 Q3.3@1688.97,2080.72 1688.97,2083.97 1711.47,2106.47 1711.47,2231.07 1721,2240.6 J18.2@1721,2281.86
  BOTTOM w6: v1(788.75,257.91) 548.49,257.91 548.04,257.46 356.85,448.65 356.85,947.31 386.25,976.72 v1(913.99,976.72)
SOP1: CC1.24 J18.4 Q3.6 | length 4196.5
  TOP w6: v1(79.3,1887.68) 32.08,1887.68 -58.73,1796.86 -58.73,994.22 -47.64,983.12 -47.64,758.07 88.02,622.42 88.02,547.91 156.69,479.24 388.33,479.24 464.57,402.99 CC1.24@503.94,402.99 ; J18.4@1621,2281.86 1621,2176.67 1636.93,2160.74 1636.93,2156.37 Q3.6@1637.78,2155.52
  BOTTOM w6: v1(79.3,1887.68) 79.3,1918.95 131.31,1970.96 131.31,2122.8 160,2151.48 160,2401.1 213.87,2454.97 568.38,2454.97 590.09,2433.26 814.61,2433.26 881.19,2366.68 1291.2,2366.68 1325.44,2332.43 1570.43,2332.43 J18.4@1621,2281.86
SOP2: CC1.23 D5.2 J18.6 | length 3237.1
  TOP w6: v1(465.9,440.28) 491.23,440.28 CC1.23@503.94,452.99 ; D5.2@1500.95,1169.11 v1(1529.84,1169.11)
  BOTTOM w6: v1(465.9,440.28) 565.56,340.62 1232.15,340.62 1296.03,404.51 1325.78,404.51 1378.68,457.41 1378.68,484.78 1717.24,823.33 1717.24,1021.48 1569.61,1169.11 v1(1529.84,1169.11) 1529.84,1485.58 1580.29,1536.03 1580.29,1706.87 1642.39,1768.97 1642.39,1909.96 1562.07,1990.28 1562.07,2240.79 J18.6@1521,2281.86
SPI_CLK: CC1.15 J14.8 R41.1 | length 1219.7
  TOP w6: J14.8@538.2,1986.38 565.94,1958.64 R41.1@565.94,1836.04 565.94,1831.86 544.22,1810.14 544.22,1791.8 509.58,1757.15 509.58,1274.52 553.9,1230.2 CC1.15@553.9,819.92
SPI_CS_IN: CC1.14 J14.10 R40.1 R44.2 | length 1247.2
  TOP w6: CC1.14@603.9,819.92 593.41,830.41 593.41,1226.62 523.54,1296.49 523.54,1698.92 616.3,1791.68 R44.2@616.3,1913.28 616.3,1964.48 J14.10@638.2,1986.38
SPI_MISO: CC1.13 J14.6 R43.1 | length 1267.7
  TOP w6: J14.6@438.2,1986.38 477.43,1947.14 v1(477.43,1901.39) ; v1(554,1674) 554,1638.38 R43.1@554.38,1638 540,1623.62 540,1319.59 619.94,1239.64 619.94,853.87 CC1.13@653.9,819.92
  BOTTOM w6: v1(477.43,1901.39) 477.43,1750.57 v1(554,1674)
SPI_MOSI: CC1.17 J14.7 R42.1 | length 1288.2
  TOP w6: J14.7@488.2,1986.38 521.02,1953.56 R42.1@521.02,1864.43 481.41,1824.82 481.41,1766.59 490.81,1757.19 490.81,1399.77 472.1,1381.06 472.1,784.83 CC1.17@503.94,752.99
VBAT_CC: C27.1 C28.1 C31.1 C32.1 C33.1 CC1.37 CC1.40 J3.3 J3.4 J10.1 J13.2 J16.1 Q2.2 R19.2 R39.2 R44.1 R57.1 R104.2 | length 1778
  TOP w14: CC1.37@953.9,186.06 953.9,238.49 972.38,256.98 1191.1,256.98 1228,220.08 1301.93,220.08 C32.1@1337.75,255.89 ; CC1.40@1103.9,186.06 1103.9,256.58
  TOP w15: v1(980,1890.78) 1009.12,1861.65 R39.2@1009.12,1839.98
  TOP w20: R57.1@213.58,2066.92 v2(301.17,2066.92) ; R44.1@663.55,1913.28 681.65,1931.38 v1(693.3,1931.38) ; v4(1209.79,2305.58) J3.4@1209.79,2225.83 1209.79,2032.37 1302.34,1939.82 C27.1@1376.59,1939.82 1474.68,1939.82 C28.1@1480.59,1933.92 1506.13,1959.46 v4(1531.6,1959.46) ; J3.3@1209.79,2386.07 v4(1209.79,2455.19)
  TOP w25: C32.1@1337.75,256.51 1438.37,256.51 1458.24,276.38 J13.2@1458.24,342.43
  TOP w30: Q2.2@1736.64,774.33 v4(1807.93,774.33) ; Q2.2@1736.83,774.52 R104.2@1736.83,838.71
VBUS_USB1: C26.1 J9.2 L1.2 R5.2 R11.2 U6.2 U6.3 | length 109.1
  TOP w20: v2(82.75,2996.17) R11.2@119.12,2996.17 ; v2(105.69,3928.5) L1.2@142.06,3928.5 ; v2(205.41,3640.38) R5.2@241.77,3640.38
  other v2: 1398.92,3827.34 1400.63,3882.57 1436.93,3882.57 1474.01,3882.57
VCC_BRD: D7.4 J7.1 J8.2 J16.3 J21.1 J25.2 Q4.2 R1.1 R38.2 R58.1 R124.1 R125.2 R126.2 R127.2 R128.2 R142.2 R143.2 R144.2 R148.2 R149.2 | length 630.6
  TOP w15: v2(-45.83,1953.6) R148.2@-10.08,1953.6 ; v1(1009.12,1766.98) R38.2@1009.12,1800.18 ; D7.4@1732.9,264.62 v2(1768.65,264.62) ; R142.2@2088.45,1564.25 v2(2088.45,1588.37) ; v2(2144.33,2401.42) 2144.33,2366.98 R149.2@2147.28,2364.02
  TOP w20: v2(208.89,1947.45) 208.89,1995.68 R58.1@213.36,2000.15 ; R127.2@658.02,1634.06 v1(658.02,1666.25) ; R124.1@844.29,1307.56 904.69,1307.56 v4(928.75,1331.62) ; v4(969.47,1395.44) 969.91,1395.88 R126.2@969.91,1424.19 ; R125.2@1089.39,1575.62 v4@1089.39,1610.24 ; v4@1205.64,1417.64 R128.2@1205.64,1452.64 ; v4(1609.29,1984.67) R143.2@1637.78,1984.67 ; v2(1840.34,3216.37) R1.1@1840.34,3247.73
  TOP w25: R144.2@1753.78,2093.64 1768.72,2078.7 Q4.2@1835.31,2078.7 1834.28,2077.67 v4(1834.28,2043.25)
  other v2: 1827.17,2648.3 1870.92,2648.3 1914.67,2648.3
  other v4: 1205.26,1417.64 1089.77,1610.62
VCC_BUFFER: C19.1 C23.1 C30.1 D3.2 J8.1 R28.2 R33.2 U3.1 U5.1 U5.5 U7.1 | length 610.2
  TOP w15: U3.1@1008.76,3810.19 C19.1@1073.76,3810.19 ; v2(1180.29,3434.78) U5.5@1214.86,3434.78 ; U7.1@1303.45,3218.01 C30.1@1368.45,3218.01 ; U5.1@1303.45,3409.19 C23.1@1368.45,3409.19
  TOP w20: v2(1073.76,3778.83) C19.1@1073.76,3810.19 ; R28.2@1121,3861.37 v2(1121,3892.73) ; v2(1190.14,3947.9) D3.2@1190.14,3984.26 ; v2(1368.45,3186.65) C30.1@1368.45,3218.01 ; v2(1368.45,3377.83) C23.1@1368.45,3409.19 ; R33.2@1415.69,3460.37 v2(1415.69,3491.73)
  PWR w30: J8.1@1288,2735.86 1288,2844.15 1343.96,2900.11
VCC_LDO_3V3: C5.1 C6.1 C7.1 C8.1 C9.1 C10.1 C14.1 C15.1 C20.1 C22.1 C24.1 C25.1 C29.1 J4.1 J7.2 J10.2 L3.2 R13.1 R16.2 R17.2 R18.2 R23.1 R24.2 R26.2 R35.1 R36.2 U1.7 U1.8 U1.16 U1.26 U1.28 U1.39 U1.47 U1.51 U1.52 U1.69 U1.79 U1.90 U1.101 U1.113 U1.122 U3.6 U5.6 U6.6 U7.6 | length 2240.2
  TOP w7.87: 236.47,3434.35 U1.101@286.41,3434.35 ; 247.4,3103.64 U1.122@286.41,3103.64 320.95,3103.64 v2(344.11,3126.81) ; U1.113@286.41,3245.37 320.95,3245.37 v2(344.11,3268.54) ; U1.7@439.95,2950.1 U1.8@455.57,2950.1 ; v2(439.95,3508.3) U1.90@439.95,3556.4 ; 455.7,2910.02 U1.8@455.7,2950.1 ; v2(558.52,3007.8) 581.68,2984.64 U1.16@581.68,2950.1 ; v2(613.18,3508.3) U1.79@613.18,3556.4 ; U1.26@739.16,2950.1 v2(739.16,2997.98) ; 770.66,2902.22 U1.28@770.66,2950.1 770.66,2984.64 v2(793.83,3007.8) ; v2(770.66,3508.3) U1.69@770.66,3556.4 ; U1.39@892.71,3103.64 942.95,3103.64 952.95,3113.64 ; U1.47@892.71,3229.63 v2(950.7,3229.63) ; U1.51@892.71,3292.62 v2(950.7,3292.62) ; U1.51@892.71,3292.74 U1.52@892.71,3308.37
  TOP w10: U6.6@1599.51,3817.08 1611.82,3817.08 1617.47,3811.44 1629.24,3811.44
  TOP w15: 920.18,3788.37 U3.6@920.18,3810.19 ; C29.1@1214.86,3163.01 U7.6@1214.86,3218.01 ; C22.1@1214.86,3354.19 U5.6@1214.86,3409.19
  TOP w20: v2(-45.57,3782.26) J4.1@-9.21,3782.26 ; C9.1@186.36,3103.64 247.4,3103.64 ; v2(207.23,3391.49) C8.1@207.23,3434.35 236.47,3434.35 ; v2(395.7,2827.75) C10.1@395.7,2860.1 C7.1@455.7,2860.1 455.7,2910.02 ; R24.2@754.91,3683.64 v2(754.91,3720) ; 770.66,2902.22 770.66,2880.1 C6.1@790.66,2860.1 ; R23.1@850.91,3683.64 v2(850.91,3720) ; v2(920.18,3723.83) C20.1@920.18,3755.19 920.18,3788.37 ; v2(950.7,3229.63) C14.1@987.71,3229.63 ; v2(950.7,3292.62) C15.1@987.71,3292.62 ; 952.95,3113.64 v2(972.95,3133.64) C5.1@1009.95,3133.64 ; R18.2@1067.19,3450.89 v2(1104.2,3450.89) ; R17.2@1067.19,3498.89 v2(1104.2,3498.89) ; R16.2@1067.19,3546.89 v2(1104.2,3546.89) ; v2(1214.86,3131.65) C29.1@1214.86,3163.01 ; v2(1214.86,3322.83) C22.1@1214.86,3354.19 ; v2(1216.23,2954.57) 1216.23,2991.95 R26.2@1216.49,2992.2 ; R36.2@1599.51,3967.13 v2(1599.51,4003.49) ; 1629.24,3811.44 1665.71,3811.44 L3.2@1680.99,3796.16 v2@1727.35,3796.16 ; R13.1@1840.09,3338.87 v2(1840.09,3370.24)
  PWR w25: J7.2@188,2735.86 188,2833.06 ; 457.99,2830.27 457.99,2765.87 J10.2@488,2735.86
  other v2: 1726.94,3520.36 1726.94,3566.32 1726.94,3612.29 1726.94,3658.26 1726.94,3704.22 1726.94,3750.19 1726.94,3796.16
VCC_MCU_5V: J9.1 J19.1 P1.21 | length 2227.4
  PWR w25: J19.1@149.2,570.26 326.59,747.65 326.59,1794.37 P1.21@250.7,1870.26
  PWR w30: P1.21@250.7,1870.26 250.7,2162.69 388,2299.99 J9.1@388,2635.86
VCC_OPAMP: C35.1 J21.2 U10.4 | length 824.4
  TOP w14: J21.2@-3.7,2459.28 141.09,2459.28 155.67,2473.85 379.47,2473.85 543.18,2310.14 U10.4@605,2310.14 651.86,2310.14 664.57,2297.43 664.57,2263.81 C35.1@695.24,2233.14
VREFA: C12.1 C13.1 R26.1 U1.9 U2.1 | length 1440.7
  TOP w7.87: v2(446.09,3034.93) 471.45,3009.58 U1.9@471.45,2950.1
  TOP w20: R26.1@1264.32,2992.78 C13.1@1264.32,3041.71 C12.1@1264.32,3089.71 v2(1305.17,3089.71) U2.1@1350.79,3089.72
  PWR w20: v2(446.09,3034.93) 446.09,2980.85 537.67,2889.27 720.09,2889.27 781.63,2827.73 1116.19,2827.73 1180.06,2891.6 1238.24,2891.6 1305.17,2958.54 v2(1305.17,3089.71)
XDS_CC_nRESET: J2.10 J5.9 R29.1 | length 2089.4
  TOP w6: R29.1@961.52,3916.37 963.45,3916.37 987.44,3940.36 1033.86,3940.36 1056.07,3918.15 1139.63,3918.15 1164.58,3893.2 1164.58,3643.76 1156.03,3635.21 1156.03,3189.23 v2(1169.45,3175.8)
  BOTTOM w6: J5.9@788,2735.86 871.49,2819.35 997.11,2819.35 1020.68,2795.78 1119.32,2795.78 1145.91,2822.37 1145.91,3152.25 v2(1169.45,3175.8) 1184,3161.25 J2.10@1517.39,3161.25
XDS_JTAG_TCK: J2.4 J5.5 R6.1 | length 1276.1
  TOP w6: v1(988,2800.35) 1080.92,2800.35 1115.4,2834.83 1115.4,2904.35 1078.1,2941.64 R6.1@1057.19,2941.64
  BOTTOM w6: v1(988,2800.35) J5.5@988,2735.86 1029.67,2694.19 1224.86,2694.19 1237.37,2706.7 1237.37,2764.1 1259.92,2786.65 1297.86,2786.65 J2.4@1671,3159.78
XDS_JTAG_TDI: J2.8 J5.1 R9.1 | length 991.6
  TOP w6: R9.1@1057.19,3085.64 1161.36,2981.48 1161.36,2762.51 J5.1@1188,2735.86 1571,3118.86 J2.8@1571,3164.86
XDS_JTAG_TDO: J2.6 J5.3 R8.1 | length 1089.8
  TOP w6: R8.1@1057.19,3037.64 1145.57,2949.27 1145.57,2793.43 J5.3@1088,2735.86
  BOTTOM w6: J5.3@1088,2735.86 1156.24,2804.1 1289.1,2804.1 1621,3136 J2.6@1621,3164.86
XDS_JTAG_TMS: J2.2 J5.7 R7.1 | length 1620.4
  TOP w6: R7.1@1057.19,2989.64 1129.4,2917.44 1129.4,2817.9 1090.84,2779.34 931.48,2779.34 J5.7@888,2735.86 929.67,2694.19 1331.79,2694.19 1436.93,2799.34 1436.93,2892.93 1567,3023 1653.11,3023 1721,3090.89 J2.2@1721,3164.86
XDS_NRESET: R10.1 U3.4 | length 807
  TOP w6: U3.4@920.18,3861.37 930.84,3861.37 948.99,3843.22 948.99,3819 1129.04,3638.95 1129.04,3245.42 1065.26,3181.64 R10.1@1057.19,3181.64
XDS_UART_RX: R2.1 R34.2 | length 851.8
  TOP w6: R2.1@1057.19,2845.64 1065.29,2853.73 v1(1089.2,2853.73) ; R34.2@1262.11,3515.37 v1(1300.18,3515.37)
  BOTTOM w6: v1(1089.2,2853.73) 1069.89,2873.05 1069.89,3053.43 1053.74,3069.58 1053.74,3176 1143.24,3265.5 1143.24,3358.43 v1(1300.18,3515.37)
XDS_UART_TX: R4.1 U7.4 | length 536.1
  TOP w6: R4.1@1057.19,2893.64 1063.34,2899.79 v1(1089.37,2899.79) ; v1(1181.67,3298.4) 1181.67,3296.22 1208.71,3269.19 U7.4@1214.86,3269.19
  BOTTOM w6: v1(1089.37,2899.79) 1089.37,3064.35 1067.63,3086.09 1067.63,3165.43 1181.67,3279.48 v1(1181.67,3298.4)
XDSET_ID: J1.4 R3.2 | length 487.8
  TOP w6: v1(197.49,3833.49) 234.12,3796.85 234.12,3693.83 R3.2@241.77,3686.18 ; J1.4@354.38,3990.66 354.38,3953.44 365.61,3942.2 v1(365.61,3913.63)
  BOTTOM w6: v1(197.49,3833.49) 352.36,3833.49 365.61,3846.73 v1(365.61,3913.63)
XDSET_N: J1.2 U1.93 U4.1 U4.10 | length 689.7
  TOP w10: v1(295.79,3942.03) 295.79,3945.34 303.2,3952.75 J1.2@303.2,3990.66 ; v1(342.62,3860.46) 329.94,3847.78 329.94,3824.79 332.28,3822.45 U4.1@332.28,3815.67 U4.10@332.28,3782.8 332.28,3776.02 329.94,3773.68 329.94,3735.87 392.33,3673.47 U1.93@392.33,3556.4
  BOTTOM w10: v1(295.79,3942.03) 307.79,3954.03 307.79,3968.38 293.6,3982.56 252.22,3982.56 235.1,3965.45 235.1,3930.39 253.03,3912.46 311.82,3912.46 329.19,3895.09 329.19,3873.9 v1(342.62,3860.46)
XDSET_P: J1.3 U1.94 U4.2 U4.9 | length 737.6
  TOP w10: v1(302.62,3860.46) 314.94,3848.15 314.94,3824.79 312.59,3822.45 U4.2@312.59,3815.67 U4.9@312.59,3782.8 312.59,3776.02 314.94,3773.68 314.94,3729.65 377.33,3667.26 U1.94@377.33,3556.4 ; J1.3@328.79,3990.66 328.79,3952.69 v1@335.79,3945.69
  BOTTOM w10: v1(302.62,3860.46) 313.19,3871.03 313.19,3888.46 305.19,3896.46 246.41,3896.46 219.1,3923.77 219.1,3972.07 245.59,3998.56 300.23,3998.56 323.79,3975.01 323.79,3954.03 v1(335.79,3942.03)
pads on no net: CC1.20 CC1.31 CC1.33 CC1.39 CC1.41 CC1.45 CC1.55@1034.41,658.5 CC1.55@1034.41,701.81 CC1.56@916.3,658.5 CC1.56@916.3,701.81 CC1.56@959.61,658.5 CC1.56@959.61,701.81 CC1.57@798.19,658.5 CC1.57@798.19,701.81 CC1.57@841.5,658.5 CC1.57@841.5,701.81 CC1.58@1034.41,540.39 CC1.58@1034.41,583.7 CC1.58@1077.72,540.39 CC1.58@1077.72,583.7 CC1.59@916.3,540.39 CC1.59@916.3,583.7 CC1.59@959.61,540.39 CC1.59@959.61,583.7 CC1.60@798.19,540.39 CC1.60@798.19,583.7 CC1.60@841.5,540.39 CC1.60@841.5,583.7 CC1.61@1034.41,422.28 CC1.61@1034.41,465.59 CC1.61@1077.72,422.28 CC1.61@1077.72,465.59 CC1.62@916.3,422.28 CC1.62@916.3,465.59 CC1.62@959.61,422.28 CC1.62@959.61,465.59 CC1.63@798.19,422.28 CC1.63@798.19,465.59 CC1.63@841.5,422.28 CC1.63@841.5,465.59 FID1.1 FID2.1 FID3.1 H1. H2. H3. H4. J3.7 J3.8 J4.7 J4.9 J4.MH1 J4.MH2 J4.MH3 J14.3 J14.4 J14.5 J14.MH1 J14.MH2 J14.MH3 LBL1.0 P2.17 SH-J5-1.0 SH-J5-2.0 SH-J5-3.0 SH-J5-4.0 SH-J5-5.0 SH-J7.0 SH-J8.0 SH-J9.0 SH-J10.0 SH-J11.0 SH-J12.0 SH-J13.0 SH-J16.0 SH-J18.0 SH-J21.0 SH-J23.0 SH-J24.0 SH-J25.0 U1.2 U1.5 U1.6 U1.11 U1.12 U1.13 U1.14 U1.15 U1.18 U1.19 U1.20 U1.21 U1.22 U1.23 U1.24 U1.25 U1.27 U1.29 U1.30 U1.31 U1.32 U1.41 U1.42 U1.43 U1.44 U1.45 U1.46 U1.49 U1.50 U1.53 U1.54 U1.56 U1.57 U1.65 U1.67 U1.71 U1.72 U1.73 U1.74 U1.75 U1.76 U1.77 U1.78 U1.81 U1.82 U1.83 U1.84 U1.85 U1.86 U1.91 U1.92 U1.102 U1.103 U1.104 U1.105 U1.106 U1.107 U1.108 U1.109 U1.110 U1.111 U1.112 U1.116 U1.117 U1.118 U1.119 U1.120 U1.121 U1.123 U1.124 U1.125 U1.126 U1.127 U1.128 U2.3 U4.3@292.91,3815.67 U4.4 U4.5 U4.6 U4.7 U4.8@292.91,3782.8 U6.9@1562.11,3809.21 U6.9@1562.11,3844.64 U8.4 U8.6 U8.10 U11.3 U11.7@1050.67,1422.6 U11.7@1086.11,1422.6